# Altium PCB 磁開關電路_20240925.PcbDoc
Units mil, origin at the board's own origin, x right, y up, seen from the top; angles counter-clockwise.
Board outline 1023.62 x 1929.13 mil, 4 copper layers (Top Layer, Layer 1, Layer 2, Bottom Layer), stack 23.756 mil thick; 24 components, 14 nets, 69 pads, 12 vias.
Unrouted connection lines stored in the file: 4.
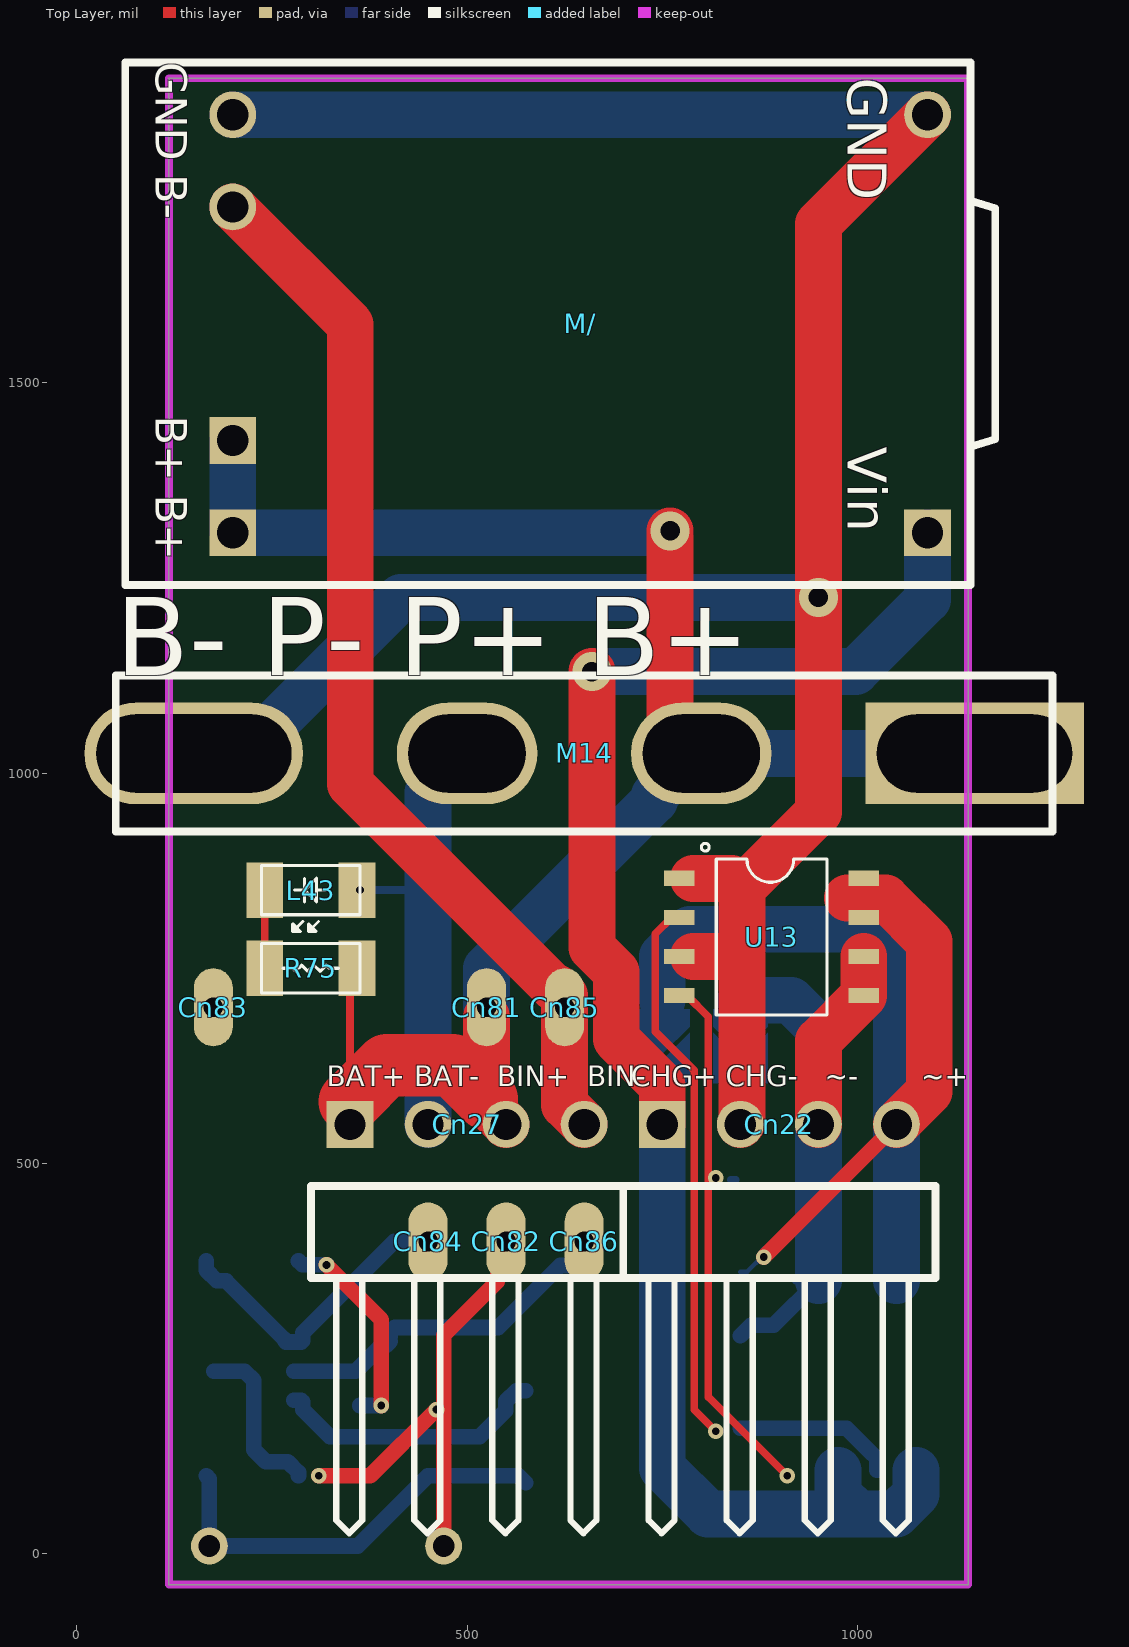
[diagram p0: Top Layer view]
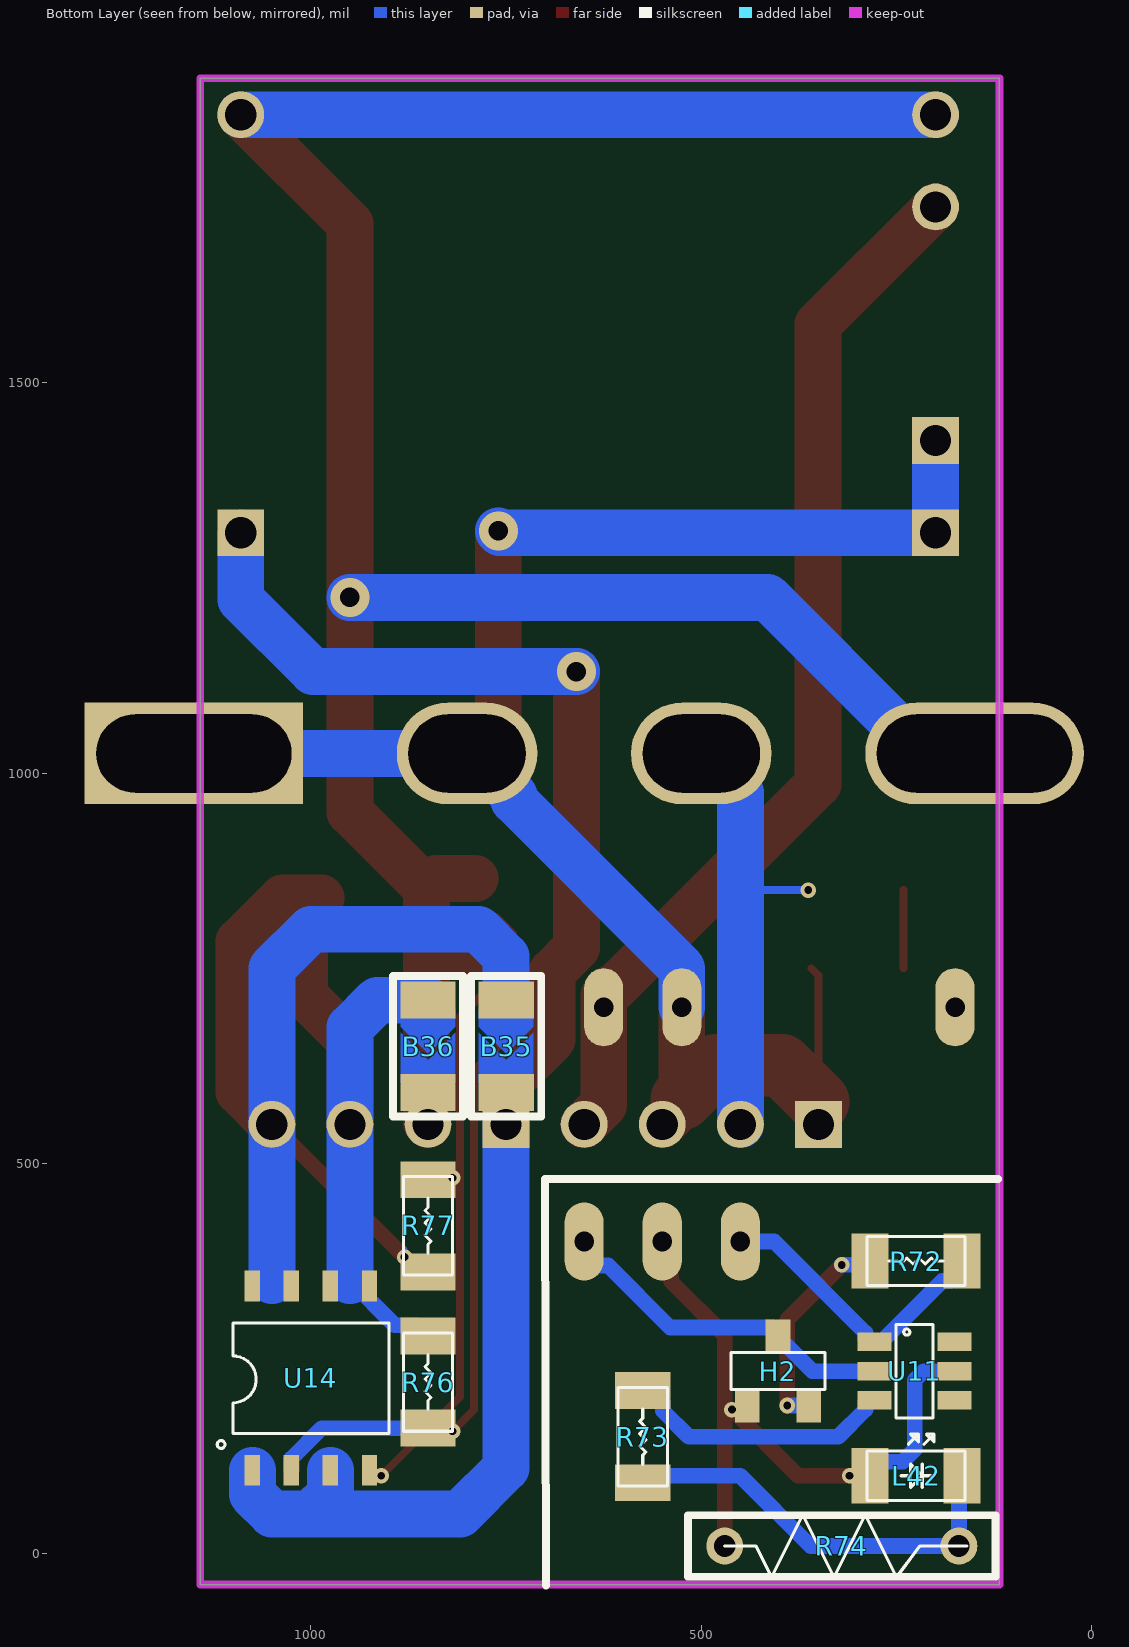
[diagram p1: Bottom Layer view, seen from below]
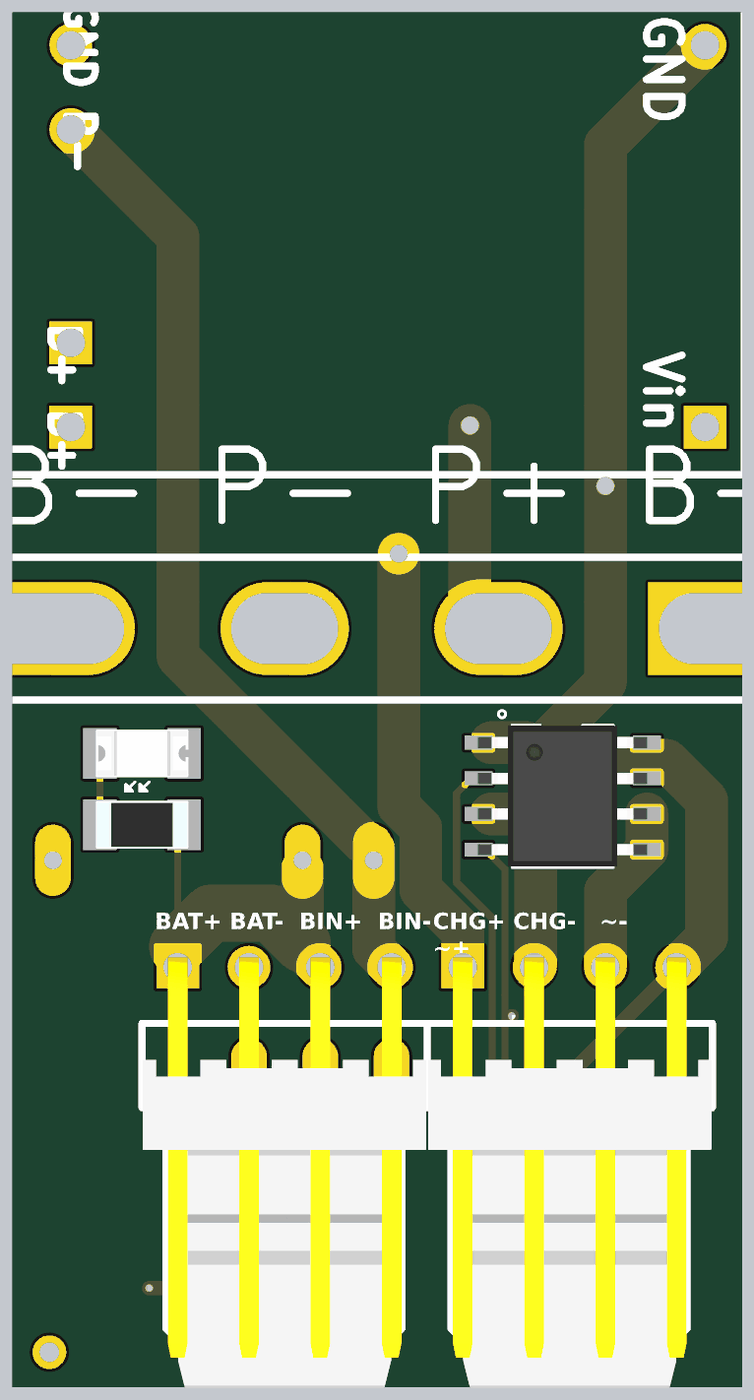
[diagram p2: 3D render of the assembled board from above, using the file's embedded part models]
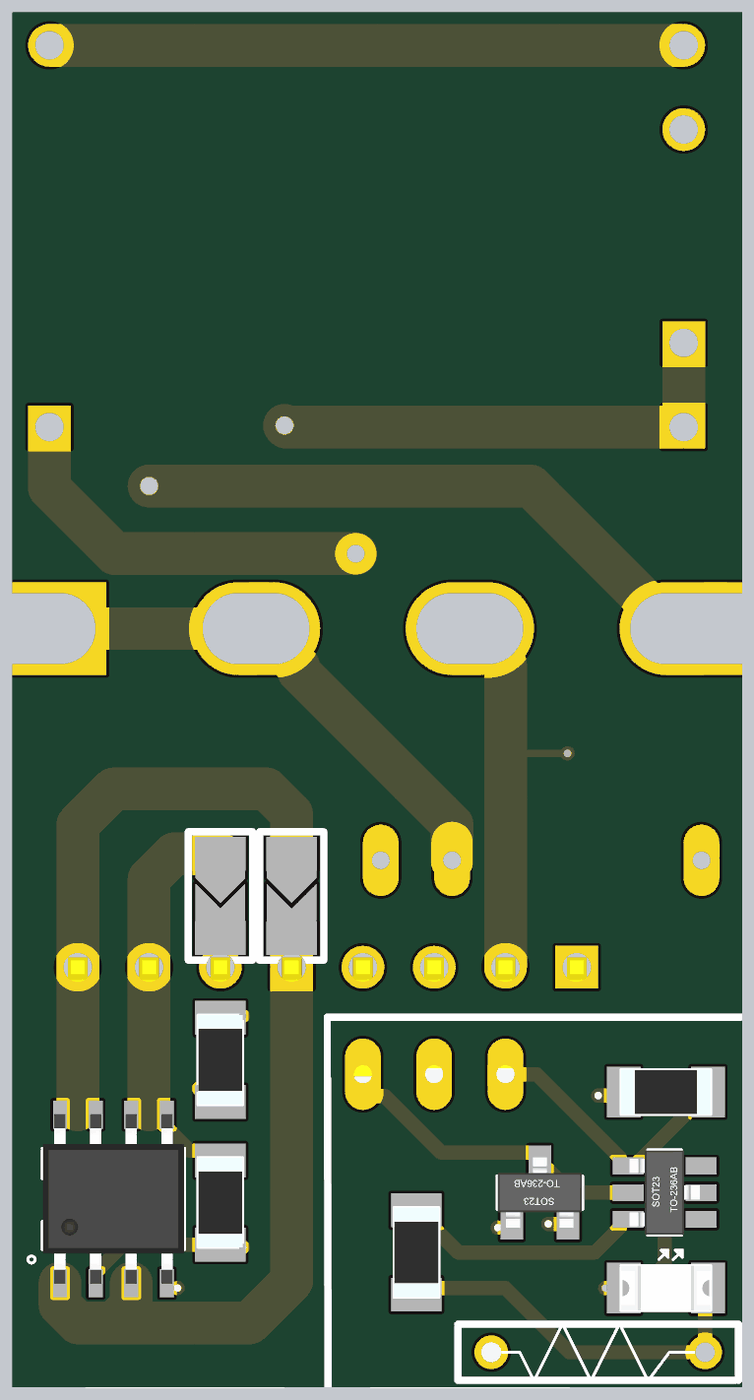
[diagram p3: 3D render of the assembled board from below, using the file's embedded part models]

## Layer stack, top to bottom
Top Solder: solder mask 0.4, Solder Resist, Dk 3.5
Top Layer: signal copper 1.4
Dielectric 2: prepreg 2.8, PP-006, Dk 4.1
Layer 1: signal copper 1.378
Dielectric 1: dielectric 12.6, FR-4, Dk 4.8
Layer 2: signal copper 1.378
Dielectric 3: prepreg 2.8, PP-006, Dk 4.1
Bottom Layer: signal copper 1.4
Bottom Solder: solder mask 0.4, Solder Resist, Dk 3.5

## Board outline
118.11,-39.37 1141.73,-39.37 1141.73,1889.76 118.11,1889.76

## Design rules (kind name [scope] priority, off if disabled: settings)
Clearance [All] p1: gap=6 ignorepadtopadclearanceinfootprint=FALSE except(15: Fill-Fill Fill-Poly Fill-Region Fill-Text Fill-Hole Poly-Poly Poly-Region Poly-Text Poly-Hole Region-Region Region-Text Region-Hole Text-Text Text-Hole)
ComponentClearance [All] p1: gap=0 collisioncheckmode=3 verticalgap=0 showdistances=FALSE
DiffPairsRouting [All] p1: maxlimit=10 minlimit=10 mostfreqgap=10 toplayer_minwidth=6 toplayer_maxwidth=15 toplayer_prefwidth=15 midlayer1_minwidth=6 midlayer1_maxwidth=15 midlayer1_prefwidth=15 midlayer2_minwidth=6 midlayer2_maxwidth=15 midlayer2_prefwidth=15 bottomlayer_minwidth=6 bottomlayer_maxwidth=15 bottomlayer_prefwidth=15 maxuncoupledlength=500
Height [All] p1: minheight=0 maxheight=2000 prefheight=500
PolygonConnect [All] p1: connectstyle=Relief reliefconductorwidth=10 reliefentries=4 polygonreliefangle="45 Angle" airgapwidth=10
RoutingVias [All] p1: holewidth=28 width=50 viastyle="Through Hole" minholewidth=10 minwidth=20 maxholewidth=50 maxwidth=100
SolderMaskExpansion [All] p1: expansion=4 istentingtop=FALSE
Width [All] p1: maxlimit=100 minlimit=6 preferedwidth=10 minimp=50.000000 maximp=50.000000 favimp=50.000000
27 further rules are at their usual default settings.

## Components (designator, comment, footprint, x,y, rotation, side; value= is the part's Value field where it differs from the comment)
B35 "短路" BYPASS-1206 750,650 r270 bottom
B36 "短路" BYPASS-1206 850,650 r270 bottom
Cn22 "KF2510-4" Connector_KF2510-4W 750,550 r90 top locked
Cn27 "KF2510-4" Connector_KF2510-4W 350,550 r90 top locked
Cn81 "Contact" Contact_Joints1*0.5 525,700 r180 top
Cn82 "Contact" Contact_Joints1*0.5 550,400 r0 top
Cn83 "Contact" Contact_Joints1*0.5 175,700 r180 top
Cn84 "Contact" Contact_Joints1*0.5 450,400 r0 top
Cn85 "Contact" Contact_Joints1*0.5 625,700 r180 top
Cn86 "Contact" Contact_Joints1*0.5 650,400 r0 top
H2 "A3212" "SOT 23-3" 401.81,233.94 r180 bottom
L42 "藍" LED-1206 225,100 r0 bottom
L43 "藍" LED-1206 300,850 r0 top
M14 "Module_DW01A" DW01A_Module 650,1025 r0 top locked
M/ "4056H+DW01A_Module" 4056H+DW01A_Module 1144.88,1575.39 r270 top locked
R72 "1K" Res-1206 225,375 r0 bottom
R73 "1K" Res-1206 575,150 r90 bottom
R74 "10K" Res_1/4 320,10 r0 bottom
R75 "1K" Res-1206 300,750 r0 top
R76 "1K" Res-1206 850,220 r90 bottom
R77 "1K" Res-1206 850,420 r270 bottom
U11 "CS2130" "SOT 23-6" 226.81,233.94 r180 bottom
U13 "AO4800" SOP-8 890,790 r0 top
U14 "AO4801" SOP-8 1000,225 r90 bottom

## Footprints (in the part's own frame and the unit in brackets; to place one, negate y for a bottom-side part, rotate by r counter-clockwise, add the part's x,y. Pads: shape width x height; smd on the part's side, far side on the other; paste and mask are expansions set on the pad)
4056H+DW01A_Module [mil] "鋰電池充電保護板"
  rect 60x60 hole 40: 1(267.72,-55.12) 3(149.61,-944.88) 3(267.72,-944.88)
  round 60 hole 40: 2(-267.72,-55.12) 2(-267.72,-944.88) 4(-149.61,-944.88)
  silkscreen extent -335,-1083 335,31
BYPASS-1206 [mm] "短接焊點"
  rect 1.2x1.8 smd: 1(-1.5,0) 2(1.5,0)
  Top Layer region: -1.2,-0.889 -1.2,0.889 -0.639,0.889 0.25,0 -0.639,-0.889
  Top Layer region: -0.439,-0.889 0.45,0 -0.439,0.889 1.2,0.889 1.2,-0.889
  silkscreen extent -2.29,-1.14 2.29,1.14
Connector_KF2510-4W [mil] "防呆接頭90°(4P)"
  rect 60x60 hole 40: 1(0,0)
  round 60 hole 40: 2(0,-100) 3(0,-200) 4(0,-300)
  silkscreen extent -524,-350 -79,50, body extent -591,-349 14,49, height 228
Contact_Joints1*0.5 [mil] "焊點1*0.5"
  oval 50x100 hole 25: 1(0,0)
DW01A_Module [mil] "鋰電池保護版"
  rect 280x130 hole 100 slot 250 at 0 deg: 1(500,0)
  oval 180x130 hole 100 slot 150 at 0 deg: 2(150,0) 3(-150,0)
  oval 280x130 hole 100 slot 250 at 0 deg: 4(-500,0)
  silkscreen extent -600,-100 600,100
LED-1206 [mm] "發光二極體 SMD-1206"
  rect 1.2x1.8 smd: 1(-1.5,0) 2(1.5,0)
  silkscreen extent -1.6,-1.35 1.6,0.8, body extent -1.6,-0.8 1.6,0.8, height 1.1
Res-1206 [mm] "1/4W電阻 SMD"
  rect 1.2x1.8 smd: 1(-1.5,0) 2(1.5,0)
  silkscreen extent -1.6,-0.8 1.6,0.8, body extent -1.6,-0.8 1.6,0.8, height 0.75
Res_1/4 [mm] "1/4W DIP電阻"
  round 1.2 hole 0.7: 1(-3.81,0) 2(3.81,0)
  silkscreen extent -5,-1.02 5,1.02
SOP-8 [mm]
  rect 1x0.5 smd: 1(-3,1.905) 2(-3,0.635) 3(-3,-0.635) 4(-3,-1.905) 5(3,-1.905) 6(3,-0.635) 7(3,0.635) 8(3,1.905)
  silkscreen extent -2.29,-2.54 1.8,3.05, body extent -3.02,-2.51 3.02,2.51, height 1.6
"SOT 23-3" [mm]
  rect 0.8x1.1 smd: 1(-1,-1.125) 2(1,-1.125) 3(0,1.125)
  silkscreen extent -1.52,-0.6 1.52,0.6, body extent -1.5,-1.25 1.5,1.25, height 1.09
"SOT 23-6" [mm]
  rect 1.1x0.6 smd: 1(-1.3,0.95) 2(-1.3,0) 3(-1.3,-0.95) 4(1.3,-0.95) 5(1.3,0) 6(1.3,0.95)
  silkscreen extent -0.6,-1.52 0.6,1.52, body extent -1.25,-1.5 1.25,1.5, height 1.09

## Part data
B35 B36: library part Bypass, "短路焊點(如標註短路則需額外補錫使其短路)"
Cn22 Cn27: library part Contact(4P), "接線端子"
Cn81 Cn82 Cn83 Cn84 Cn85 Cn86: "接線端子、接點、郵票孔(非焊接元件)"
H2: library part Sensor_Hall, "感測器_霍爾"
L42 L43: library part LED, "LED"
M14: "鋰電池保護版"
M/: "鋰電池充電保護板"
R72 R73 R74 R75 R76 R77: library part Res, "電阻"
U11: "單鍵ON/OFF芯片", ComponentLink1Description=datasheet, ComponentLink1URL=http://www.szecm.com/Products/cs2130djkg.html
U13: library part "MOS_Dual N_AO4800", "MOS,雙NMOS"
U14: library part "MOS_Dual P_AO4801", "MOS,雙PMOS"

## Via types
v1: diameter 20, hole 10, Top Layer to Bottom Layer, tented both sides, 9 vias
v2: diameter 50, hole 25, Top Layer to Bottom Layer, 3 vias

## Nets (pads, with @x,y where several pads share a name; then routed paths per layer and width w, separated by ;. In a path a pad name is that pad's centre, name@x,y a point inside that pad or via, vN(x,y) a via of type N, cw(c..) or ccw(c..) an arc to the next point about the centre after c; other vN are vias at no path point)
+9: B35.2 Cn22.1 M/.1 U14.1 U14.3 | length 2067
  Top Layer w60: v2(660,1130) 660,776.27 691,745.27 691,659 750,600 Cn22.1
  Bottom Layer w60: v2(660,1130) 997.44,1130 1089.76,1222.32 M/.1 ; Cn22.1 750,110 808.8,51.2 1000.25,51.2 ; U14.3 975,76.45 1000.25,51.2 ; U14.1 1075,76.45 1049.75,51.2 1000.25,51.2
AC1: B35.1 Cn22.4 R77.2 U13.7 U13.8 U14.7 U14.8 | length 1458.5
  Top Layer w20: v1(880,380) Cn22.4
  Top Layer w60: 987,840 1036,840 1092,784 1092,592 Cn22.4
  Bottom Layer w6: R77.2 858.48,360.95 879.1,381.57 879.1,390.05 880,390.95
  Bottom Layer w60: B35.1 750,764.85 785.14,800 1000,800 1050,750 Cn22.4 1050,350
AC2: B36.1 Cn22.3 R76.2 U13.5 U13.6 U14.5 U14.6 | length 811
  Top Layer w60: Cn22.3 950,656.89 U13.5 U13.6
  Bottom Layer w10: U14.5@920.95,350 U14.5@925,350
  Bottom Layer w20: R76.2 863.62,292.68 892.68,292.68 950,350
  Bottom Layer w60: B36.1 914.85,709.05 950,673.91 Cn22.3 950,350
BAT_IN+: Cn27.1 Cn27.3 Cn81.1 Cn82.1 H2.1 L42.2 M14.1 M14.2 M/.3 R74.2 R75.2 U11.5 | length 3129.1
  Top Layer w10: Cn27.1 350,579.14 350,740.95 R75.2
  Top Layer w20: v1(310,100) 376.14,100 v1(460.86,184.72) ; R74.2 470,280 538.61,348.61 538.61,355.49 550,366.88 Cn82.1
  Top Layer w60: Cn81.1@525,687.5 525,582.48 525,575 Cn27.3 ; v2(760,1310) 760,1065 M14.2 M14.2@790.4,1015.4
  Top Layer w80: Cn27.1@350,579.14 396.86,626 481.48,626 525,582.48
  Bottom Layer w20: U11.5 215.09,233.94 226.81,222.22 226.81,133.19 242.15,117.85 270.43,117.85 284.05,104.23 L42.2
  Bottom Layer w60: M/.3@200,1425.79 200,1307.68 757.68,1307.68 v2(760,1310) ; Cn81.1 525,750 740,965 740,971.06 793.94,1025 M14.2 M14.1@1100.73,1025
BAT_IN-: Cn27.4 Cn85.1 Cn86.1 H2.3 M/.4 U11.2 | length 1815.3
  Top Layer w60: M/.4 350.39,1574.61 350.39,985.87 611.27,725 615,725 625,715 Cn85.1 625,575 Cn27.4
  Bottom Layer w20: U11.2 357.51,233.94 390.15,266.57 396.05,266.57 H2.3@401.8,272.32 ; H2.3 401.8,284.13 407.55,289.88 539.88,289.88 619.26,369.26 636.14,369.26 650,383.12 Cn86.1
BAT_Out-: Cn27.2 L43.2 M14.3 | length 638.1
  Top Layer w60: M14.3@461.61,992.66 493.94,1025 M14.3
  Bottom Layer w10: v1(363,850.01) 450,850
  Bottom Layer w60: Cn27.2 450,850 450,975 461.61,986.61 461.61,992.66 493.94,1025 M14.3
G1: R76.1 U13.2 U14.2 | length 967.3
  Top Layer w10: U13.2@762.05,815 741,793.95 741,669 791,619 791,184.51 v1(818.51,157.01)
  Bottom Layer w10: 978.93,160.94 U14.2@1016,123.87 ; U14.2 U14.2@1025,116.73
  Bottom Layer w20: R76.1 978.93,160.94 986,160.94 1024.84,122.1 1024.84,107.05 U14.2
G2: R77.1 U13.4 U14.4 | length 684
  Top Layer w10: U13.4 781.73,715 809,687.73 809,201 v1(910,100)
  Bottom Layer w10: R77.1@838.19,479.06 R77.1@844.24,479.06
  other v1: 818.5,481.5
GND: B36.2 Cn22.2 M14.4 M/.2 U13.1 U13.3 | length 3272.4
  Top Layer w60: U13.3@790,765 830,765 ; U13.1@790,865 839,865 852,852 ; Cn22.2 852,552 852,852 ; M/.2@1089.76,1843.11 950,1703.35 v2(950,1225) 950,950 852,852
  Bottom Layer w60: M14.4 177.86,1052.86 242.86,1052.86 415,1225 v2(950,1225) ; M/.2@200,1843.11 M/.2@1089.76,1843.11
HALL_ON: R72.1 U11.1 | length 393.8
  Bottom Layer w20: R72.1 165.94,363.19 179.57,349.56 191.38,349.56 266.34,274.61 266.34,273.15 268.15,271.34 U11.1 287.83,271.34 289.64,273.15 289.64,282.99 406.65,400 450,400
NetH2_2: H2.2 R72.2 | length 274.7
  Top Layer w20: v1(320,370) 390,300 v1(390,190)
  Bottom Layer w20: R72.2 289.05,370 v1(320,370) ; H2.2 362.79,190 v1(390,190)
NetL43_1: L43.1 R75.1 | length 100
  Top Layer w10: R75.1 L43.1
NetR73_2: R73.2 U11.3 | length 353.4
  Bottom Layer w20: U11.3 287.83,196.54 289.64,194.72 289.64,184.88 324.52,150 515.95,150 549.57,183.62 549.57,195.43 563.19,209.05 R73.2
POW_EN: Cn83.1 Cn84.1 L42.1 R73.1 R74.1 | length 537.7
  Bottom Layer w20: L42.1 170,95.94 R74.1 360,10 450,100 565.94,100 R73.1
pads on no net: U11.4 U11.6

## Keep-outs
Keep-Out Layer:
  the board outline again, w10

## Silkscreen, mask and mechanical layers (free items; w line width, h text height)
Top Overlay:
  text "BAT+ BAT-  BIN+  BIN-" at 320,590 h45
  text "CHG+ CHG-   ~-       ~+" at 710,590 h45
Bottom Overlay:
  lines w10: 120,480 700.02,480 698.81,-40.63

## Text inside footprints (layer, text, board x,y; h text height)
M14: Top Overlay "B- P- P+ B+" at 50,1125 h100
M/: Top Overlay "Vin" at 987.4,1417.91 h50 r270; Top Overlay "B+ B+" at 101.57,1457.28 h40 r270; Top Overlay "GND" at 987.4,1890.35 h50 r270; Top Overlay "GND B-" at 101.57,1910.04 h40 r270